# Altium PCB can_gateway_v3s_hardwave.PcbDoc (part 2 of 2)
Units mil, origin at the board's own origin, x right, y up, seen from the top; angles counter-clockwise.
Board outline 3937.01 x 2637.8 mil, 2 copper layers (Top Layer, Bottom Layer); 219 components, 180 nets, 793 pads, 179 vias.
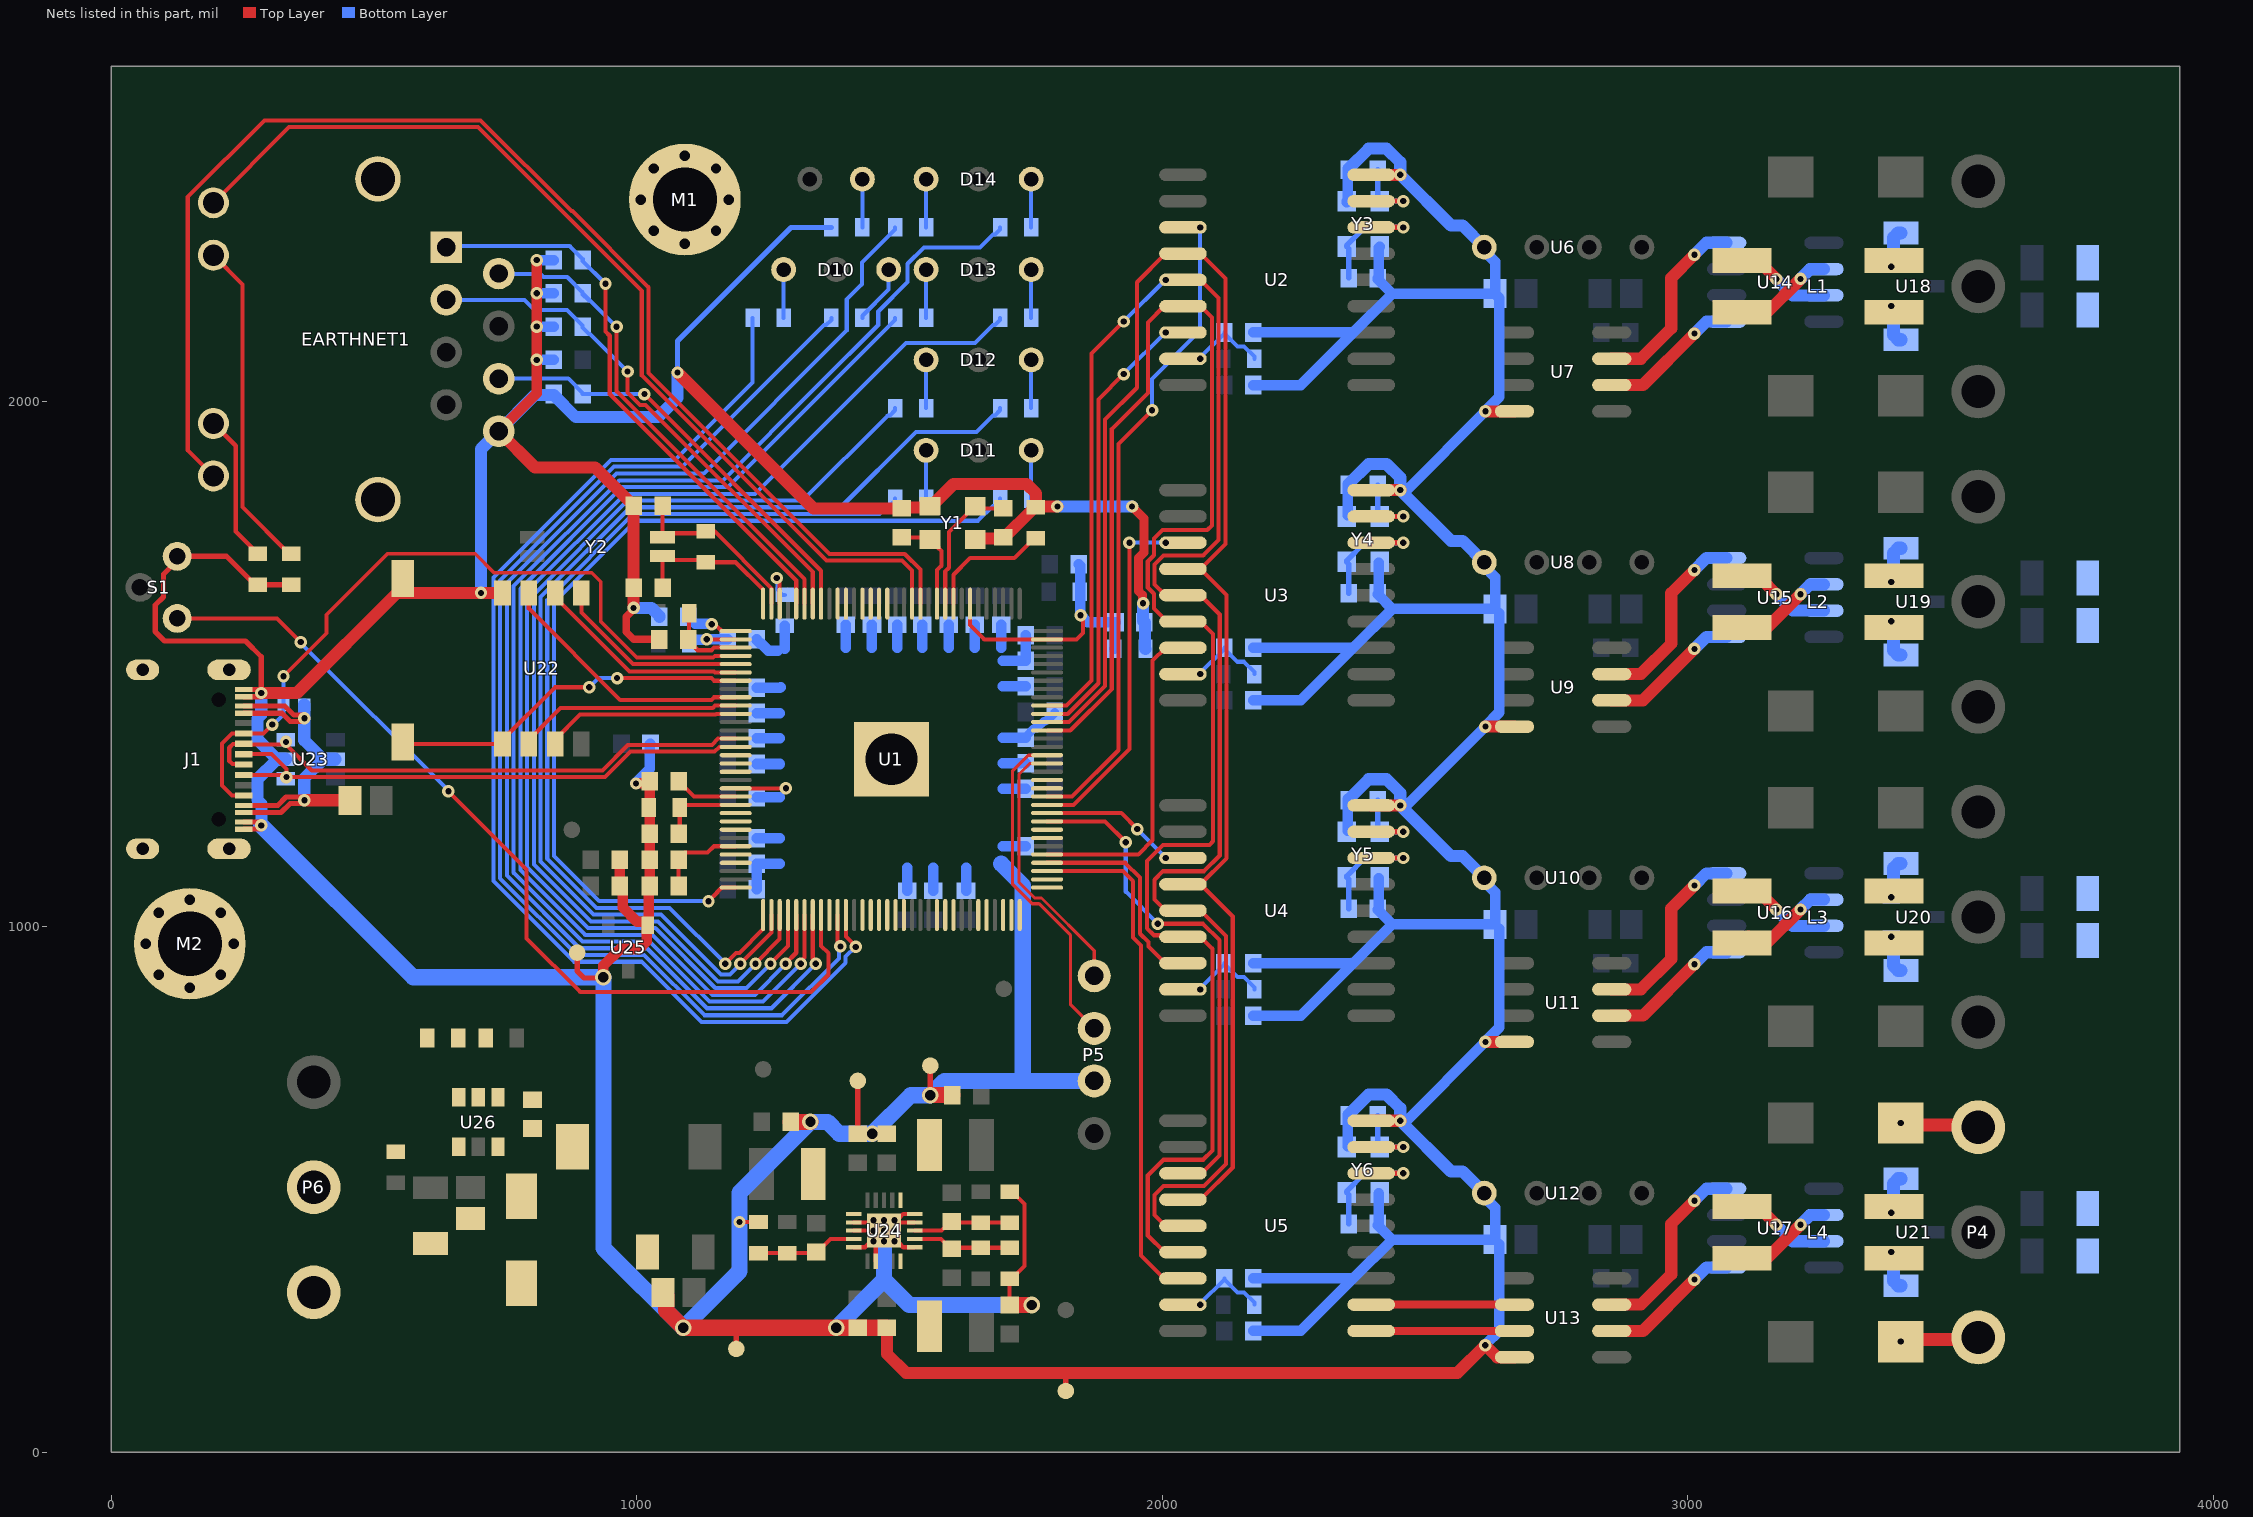
[diagram p2: the nets of this part, all layers, seen from the top]

## Via types
v1: diameter 23.62, hole 11.81, Top Layer to Bottom Layer, tented both sides, 159 vias
v2: diameter 31.5, hole 19.68, Top Layer to Bottom Layer, tented both sides, 18 vias
v3: diameter 23.62, hole 11.81, Top Layer to Bottom Layer, 2 vias

## Nets (pads, with @x,y where several pads share a name; then routed paths per layer and width w, separated by ;. In a path a pad name is that pad's centre, name@x,y a point inside that pad or via, vN(x,y) a via of type N, cw(c..) or ccw(c..) an arc to the next point about the centre after c; other vN are vias at no path point) (continued)
CAN4_H: D8.2 P4.1 R16.1 | length 150.6
  Top Layer w25: D8.2@3409.93,622.95 P4.1@3549.1,622.95
  Bottom Layer w25: v1(3405.87,627) R16.1@3409.93,622.95 ; P4.1@3549.1,622.95 P4.1@3553.15,618.9
CAN4_L: D7.2 P4.3 R15.1 | length 150.5
  Top Layer w25: D7.2@3409.82,214.95 P4.3@3549.2,214.95
  Bottom Layer w25: v1(3405.87,211) R15.1@3409.82,214.95 ; P4.3@3549.2,214.95 P4.3@3553.15,218.9
CAN4_RX: U5.2 U13.2 | length 272.6
  Top Layer w15: U5.2@2398.05,281.18 U13.2@2670.63,281.18
CAN4_TX: U5.1 U13.3 | length 272.6
  Top Layer w15: U5.1@2398.05,231.18 U13.3@2670.63,231.18
CS1: U1.54 U2.16 | length 842.4
  Top Layer w7.8: U1.54@1781.31,1405.53 1820.63,1405.53 1878.8,1463.7 1878.8,2003.8 v1(1927,2052)
  Bottom Layer w7.8: v1@1927.1,2051.9 v1@2006.69,2131.49
  other v1: 2007,2131.18
CS2: U1.37 U3.16 | length 621.7
  Top Layer w7.8: U1.37@1781.3,1137.8 1954.8,1137.8 1982,1165 1982,1506.86 2006.31,1531.18 U3.16@2039.78,1531.18
CS3: U1.36 U4.16 | length 404.9
  Top Layer w7.8: U1.36@1781.3,1122.05 1929.95,1122.05 1958,1094 1958,987 1974,971 1974,963 2005.82,931.18 U4.16@2039.78,931.18
CS4: U1.35 U5.16 | length 987.8
  Top Layer w7.8: U1.35@1781.3,1106.3 1925.7,1106.3 1945,1087 1945,980 1960,965 1960,375 2003.82,331.18 U5.16@2039.78,331.18
CSI_SCK: U1.9
CSI_SDA: S1.2 U1.8 | length 1745.1
  Top Layer w7.8: S1.2@125.98,1587.13 315.87,1587.13 v3(361,1542) ; v3(642,1258) 791,1109 791,978 893,876 1332,876 1365,909 1365,950 1351.18,963.82 U1.8@1351.18,1022.64
  Bottom Layer w7.8: v3(361,1542) 361,1540.5 642,1259.5 v3(642,1258)
DM: J1.5 J1.13 U1.110 U23.3 | length 1068.4
  Top Layer w7.8: J1.5@252.83,1309.06 251.89,1310 231,1310 225,1316 225,1341 232,1348 252.41,1348 J1.13@252.83,1348.43 253.86,1347.4 332.6,1347.4 382,1298 935,1298 983.29,1346.29 1143.29,1346.29 1155.25,1358.25 U1.110@1188.78,1358.27
  other v1: 333,1352
DP: J1.4 J1.12 U1.111 U23.1 | length 1069.2
  Top Layer w7.8: J1.12@252.83,1289.37 329.63,1289.37 v1(333.8,1285.2) ; J1.4@252.83,1328.74 305.26,1328.74 333.8,1300.2 v1(333.8,1285.2) ; U1.111@1188.78,1342.52 1157.61,1342.51 1148.59,1333.49 988.59,1333.49 940.3,1285.2 v1(333.8,1285.2)
EARTH: C34.2 C35.2 C36.2 C37.2 EARTHNET1.13 EARTHNET1.14 J1.17 M1.1 M2.1 P6.2 R17.1 R18.1 R19.1 R20.1
ETH_LED_LINK: EARTHNET1.12 U1.77 | length 2520
  Top Layer w7.8: EARTHNET1.12@194.84,1858.3 146,1907.14 146,2389 291.8,2534.8 703.3,2534.8 876.1,2362 878,2362 1022.8,2217.2 1022.8,2054.3 1367.1,1710 1510.39,1710 1540.16,1680.23 U1.77@1540.16,1615.16
ETH_LED_SPD: EARTHNET1.9 U1.78 | length 1895.9
  Top Layer w7.8: EARTHNET1.9@194.84,2377.99 338.86,2522 698,2522 1010,2210 1010,2049 1361.8,1697.2 1505.09,1697.2 1524.41,1677.88 U1.78@1524.41,1615.16
ETH_RX_N: C42.2 EARTHNET1.6 U1.89 | length 828.6
  Top Layer w8: v1(1015,2014) 1351.18,1677.82 U1.89@1351.18,1615.16
  Bottom Layer w7.8: EARTHNET1.6@737.76,2043.34 870.19,2043.34 897.56,2015.97 C42.2@897.56,2014 v1(1015,2014)
ETH_RX_P: C41.2 EARTHNET1.3 U1.90 | length 998.3
  Top Layer w7.8: v1(983,2057) 983,2016.71 1006.42,1993.29 1017.47,1993.29 1335.43,1675.32 1335.43,1660.86
  Top Layer w8: U1.90@1335.43,1615.16 1335.43,1660.86
  Bottom Layer w7.8: EARTHNET1.3@637.76,2193.34 786.66,2193.34 806,2174 867.86,2174 897.56,2144.3 C41.2@897.56,2142.33 897.56,2140.36 909.41,2128.52 911.38,2128.52 v1@982.95,2056.95
ETH_TX_N: C40.2 EARTHNET1.2 U1.91 | length 962.3
  Top Layer w8: v1(962,2142) 962,2019.47 1319.68,1661.78 U1.91@1319.68,1615.16
  Bottom Layer w7.8: EARTHNET1.2@737.76,2243.34 738.71,2242.38 817.62,2242.38 823,2237 868.19,2237 897.56,2207.63 C40.2@897.56,2206.44 ; C40.2@896.96,2207.04 C40.2@897.56,2206.44 ; C40.2@909.41,2191.85 897.56,2203.7 C40.2@897.56,2205.67 C40.2@897.56,2206.44 ; v1(962,2142) C40.2@897.56,2206.44
ETH_TX_P: C39.2 EARTHNET1.1 U1.92 | length 1096.1
  Top Layer w8: v1(941,2224) 941,2133 949,2125 949,2014.08 1303.94,1659.15 U1.92@1303.94,1615.16
  Bottom Layer w8: EARTHNET1.1@637.76,2293.34 640.13,2295.72 872.81,2295.72 897.56,2270.97 C39.2@897.56,2269 897.56,2267.03 939.5,2225.09 v1@939.5,2222.5
GND: C1.1 C2.1 C3.2 C4.2 C5.2 C6.1 C7.2 C8.1 C9.2 C10.1 C11.2 C12.1 C13.2 C14.1 C15.1 C16.1 C17.1 C18.1 C19.1 C20.1 C21.1 C22.1 C23.1 C24.1 C25.1 C38.1 C39.1 C40.1 C41.1 C42.1 C43.2 C44.2 C45.2 C46.2 C47.2 C48.1 C49.1 C53.1 C54.1 C55.1 C56.1 C57.1 C58.1 C59.1 C60.1 C61.1 C62.1 C63.1 C64.1 C65.1 C66.1 C67.1 C68.1 C69.1 C70.1 C71.1 C72.1 C73.1 C74.1 C75.1 C76.1 C77.1 C78.1 C79.1 C80.1 C81.1 C83.1 C84.1 C85.1 C86.1 C87.1 C88.1 C89.1 C90.1 C91.1 C93.1 C94.1 D15.1 EARTHNET1.8 J1.1 J1.8 J1.9 J1.16 P5.2 P6.1 pad.2 R2.1 R3.1 R22.1 R23.1 R24.2 R38.1 R39.1 R40.1 R44.1 R46.1 R47.2 S1.1 S2.1 T3.1 T4.1 T8.1 T9.1 T10.1 U1.116 U1.129 U2.9 U3.9 U4.9 U5.9 U6.1 U7.4 U8.1 U9.4 U10.1 U11.4 U12.1 U13.4 U22.4 U23.2 U24.1 U24.4 U24.5 U24.12 U24.13 U24.15 U24.17 U24.21 U25.3 U26.2 Y1.2 Y1.4 Y3.2 Y3.4 Y4.2 Y4.4 Y5.2 Y5.4 Y6.2 Y6.4 | length 21166.2
  Top Layer w7.8: U1.116@1188.78,1263.78 v1(1284.22,1263.78) ; v1(1196,438.53) R38.1@1232.08,438.53 ; U24.15@1412.93,390.5 1434.5,390.5 U24.21@1443,399 ; U24.13@1412.93,422 v1(1451,422) U24.21@1455.25,422 ; U24.12@1412.93,437.75 1455.25,437.75 v1(1471,422) ; U24.17@1455.25,363.93 U24.21@1455.25,406.25 ; U24.21@1486.75,437.75 U24.4@1529.07,437.75 ; U24.21@1499,399 1507.5,390.5 U24.1@1529.07,390.5 ; U24.21@1499,445 1507.5,453.5 U24.5@1529.07,453.5 ; C55.1@1709.94,280.56 R40.1@1709.94,330.47 1713.87,330.47 1738,354.6 1738,472.4 1713.87,496.53 R39.1@1709.94,496.53
  Top Layer w9.8: J1.9@252.83,1186.03 v1@286,1186.03 ; J1.8@252.83,1199.81 v1@286,1199.81 ; J1.1@252.83,1438 v1@286,1438 ; J1.16@252.83,1451.78 v1@286,1451.78
  Top Layer w10: v1(286,1445.11) 286,1451.78 286,1514 256,1544 102,1544 84,1562 84,1612 100,1628 100,1671.04 125.98,1697.02 S1.1@125.98,1705.24 220,1705.24 274.18,1651.06 R23.1@279.6,1651.06 R22.1@343.03,1651.06 ; T8.1@887,951 887,916 900,903 936,903 v2(937,904) ; T3.1@1190,197 1190,237.38 ; C44.2@1421,606.5 T10.1@1421,707 ; v2(1559,680) T9.1@1559,736 ; T4.1@1817,117 1817,151
  Top Layer w14: v1(994.45,1607) 994.45,1604.4 980.19,1590.14 980.19,1561.14 994.14,1547.19 1042.71,1547.19 C1.1@1042.9,1547
  Top Layer w17: v1(1943,1800) 1966,1777 1966,1712.86 1955.4,1702.26 1955.4,1638.99 1962.73,1631.66 1962.73,1617.27 v1(1964,1616)
  Top Layer w20: EARTHNET1.8@737.76,1943.34 810,2015.59 v1(810,2079) v1(810,2142.33) v1(810,2205.67) v1(810,2269) ; v2(937,904) 937,926 969,958 1005,958 1019.59,972.59 1019.59,1001.51 U25.3@1021.4,1003.32 ; C49.1@967.97,1127.75 C48.1@967.97,1077.98 973.72,1072.23 973.72,1037.28 1000.94,1010.06 1019.59,1010.06 1021.4,1008.24 U25.3@1021.4,1003.32 ; v1(999,1273) 999.69,1273.69 1021.83,1273.69 C94.1@1025.13,1277 C91.1@1025.13,1177.5 C80.1@1025.13,1127.75 C78.1@1025.13,1078 1023.21,1076.08 1023.21,1005.13 U25.3@1021.4,1003.32
  Top Layer w23: v1(286,1445.11) 354.11,1445.11 544.7,1635.7 v1(704,1635.7) U22.4@745,1635.7 ; EARTHNET1.8@737.76,1943.34 806.77,1874.33 921.33,1874.33 C4.2@994.45,1801.2 C5.2@994.45,1645.77 v1(994.45,1607) ; v1(1078,2055) 1336.69,1796.31 C3.2@1505,1796.31 1506.94,1798.24 1556.39,1798.24 Y1.4@1558.32,1800.18 1560.29,1800.18 1603.11,1843 1742,1843 1760,1825 R3.1@1760,1798.28 ; C47.2@1476,237.38 1476.87,236.51 1476.87,187.13 1513,151 1817,151 2562,151 v1(2615,204) 2637.82,181.18 U13.4@2670.63,181.18 ; Y1.2@1644.81,1737.32 1646.75,1739.25 1696.06,1739.25 C2.1@1698,1741.19 1699.97,1741.19 1753.78,1795 1753.78,1796 1756.06,1798.28 R3.1@1760,1798.28 ; v1(1801,1800) 1800.88,1799.88 1761.61,1799.88 R3.1@1760,1798.28 ; U5.9@2398.05,631.18 v1(2453.38,631.18) ; U4.9@2398.05,1231.18 v1(2453.38,1231.18) ; U3.9@2398.05,1831.18 v1(2453.38,1831.18) ; U2.9@2398.05,2431.18 v1(2453.38,2431.18) ; v1(2615.3,781.18) U11.4@2670.63,781.18 ; v1(2615.3,1381.18) U9.4@2670.63,1381.18 ; v1(2615.3,1981.18) U7.4@2670.63,1981.18
  Top Layer w31: C90.1@1050.47,304.7 1056.63,298.55 1056.63,269.51 1088.62,237.52 v2(1088.62,237.38) 1190,237.38 v2(1380,237.38) C46.2@1421,237.38 C47.2@1476,237.38 ; C53.1@1293.56,629 v2(1331,629) ; v2(1559,680) C54.1@1601.09,680 ; C55.1@1709.94,280.56 v2(1752,280.56)
  Bottom Layer w10: C42.1@842.44,2012.03 C42.1@842.44,2014 ; v1(1078,2055) 1078,2115 1294.09,2331.09 R24.2@1370.76,2331.09
  Bottom Layer w16: C62.1@1740.94,1360.33 1740.94,1362.3 1756.93,1378.28 1762.08,1378.28 1774.84,1391.05 1778.11,1391.05 1786.35,1399.28 1788.31,1399.28 1796.06,1407.03 C59.1@1796.06,1409
  Bottom Layer w20: v1(810,2079) C38.1@842.44,2079 ; v1(810,2142.33) C41.1@842.44,2142.33 ; v1(810,2205.67) C40.1@842.44,2205.67 ; v1(810,2269) C39.1@842.44,2269 ; v1(999,1273) 999,1273.98 1025.6,1300.58 1025.6,1347.34 C43.2@1026.56,1348.3 ; C61.1@1229.13,1072 C75.1@1229.13,1120 1273,1120 ; C76.1@1229.13,1169 1273,1169 ; C89.1@1229.13,1246.61 1273,1246.61 ; C87.1@1229.13,1310.04 1273,1310.04 ; C66.1@1229.13,1359 1273,1359 ; C73.1@1229.13,1407 1273,1407 ; C63.1@1229.13,1455 1273,1455 1274,1456 ; C71.1@1229.13,1547.24 1229.13,1545.28 1234.88,1539.53 1236.85,1539.53 1250.38,1526 1269,1526 ; 1282,1528.97 R2.1@1282,1572.83 ; 1398,1530.94 C68.1@1398,1574.8 ; 1448,1530.94 C70.1@1448,1574.8 ; 1496,1530.94 C86.1@1496,1574.8 ; C77.1@1515,1068.56 1515,1112.43 ; 1544,1530.94 C74.1@1544,1574.8 ; C58.1@1565,1068.56 1565,1112.43 ; 1593.9,1530.94 C81.1@1593.9,1574.8 ; C56.1@1627,1068.56 1627,1112.43 ; 1643.95,1530.94 C79.1@1643.95,1574.8 ; 1694,1530.94 C83.1@1694,1574.8 ; 1697.08,1153.54 C64.1@1740.94,1153.54 ; 1697.08,1263 C60.1@1740.94,1263 ; 1697.08,1311.67 C57.1@1740.94,1311.67 ; 1697.08,1360.33 C62.1@1740.94,1360.33 ; 1697.08,1457.67 C67.1@1740.94,1457.67 ; 1697.08,1506.33 C85.1@1740.94,1506.33 ; C85.1@1740.94,1511.13 C65.1@1740.94,1555 ; C21.1@2173.71,231.18 2264.24,231.18 2364.24,331.18 ; C17.1@2173.71,331.18 2364.24,331.18 ; C20.1@2173.71,831.18 2264.24,831.18 2364.24,931.18 ; C16.1@2173.71,931.18 2364.24,931.18 ; C19.1@2173.71,1431.18 2264.24,1431.18 2364.24,1531.18 ; C15.1@2173.71,1531.18 2364.24,1531.18 ; C18.1@2173.71,2031.18 2264.24,2031.18 2364.24,2131.18 ; C14.1@2173.71,2131.18 2364.24,2131.18 ; Y3.2@2351.35,2379.21 Y3.2@2351.35,2381.18 2353.28,2383.11 2353.28,2439.24 C6.1@2355.22,2441.18 ; Y6.2@2353.28,583.11 C12.1@2353.28,639.24 ; Y5.2@2353.28,1183.11 C10.1@2353.28,1239.24 ; Y4.2@2353.28,1783.11 C8.1@2353.28,1839.24 ; C13.2@2410.34,432.72 2438.06,405 ; C11.2@2410.34,1032.72 2438.06,1005 ; C9.2@2410.34,1632.72 2438.06,1605 ; C13.2@2412.28,436.63 Y6.4@2412.28,492.75 ; C11.2@2412.28,1036.63 Y5.4@2412.28,1092.75 ; C9.2@2412.28,1636.63 Y4.4@2412.28,1692.75 ; Y3.4@2414.21,2294.69 2412.28,2292.75 2412.28,2236.63 C7.2@2410.34,2234.69 2410.34,2232.72 2438.06,2205 ; v1(2453.38,1831.18) 2465.3,1831.18 v1(2615.3,1981.18) 2615.3,1982.16 2642.11,2008.97 2642.11,2196.51 C22.1@2633.62,2205 ; 2465.3,631.18 v1(2615.3,781.18) 2615.3,782.16 2642.11,808.97 C24.1@2642.11,996.51 ; 2465.3,1231.18 v1(2615.3,1381.18) 2615.3,1382.16 2642.11,1408.97 C23.1@2642.11,1596.51 ; U12.1@2613.15,486.16 2633.62,465.69 C25.1@2633.62,404.99 2438.06,405 ; U10.1@2613.15,1086.16 2633.62,1065.69 C24.1@2633.62,1004.99 2438.06,1005 ; U8.1@2613.15,1686.16 2633.62,1665.69 C23.1@2633.62,1604.99 2438.06,1605 ; U6.1@2613.15,2293.54 2613.15,2286.16 2633.62,2265.69 C22.1@2633.62,2205 ; v1(2615,204) 2615,204.98 2642.11,232.09 C25.1@2642.11,396.51 ; 2364.24,331.18 2438.06,405 ; 2364.24,931.18 2438.06,1005 ; 2364.24,1531.18 2438.06,1605 ; 2364.24,2131.18 2438.06,2205 ; 2438.06,2205 C22.1@2633.62,2205
  Bottom Layer w23: v1(286,1193.14) 286,1234.21 278.81,1241.41 278.81,1281.51 315.13,1317.84 331.58,1317.84 U23.2@332.76,1319 331.46,1320.3 315.02,1320.3 278.69,1356.62 278.69,1396.73 285.88,1403.92 285.88,1444.99 v1(286,1445.11) ; v1(704,1635.7) 704,1909.59 EARTHNET1.8@737.76,1943.34 806.45,2012.03 842.44,2012.03 884.47,1970 1041,1970 1078,2007 v1(1078,2055) ; v1(994.45,1607) 994.57,1606.88 1028.53,1606.88 1043.44,1591.97 C84.1@1043.44,1590 ; v1(1801,1800) v1(1943,1800) ; v1(1964,1616) 1964.12,1615.88 1964.12,1582.44 C93.1@1966.56,1580 1967.54,1579.02 1967.54,1529.98 R47.2@1968.53,1529 ; C12.1@2355.22,643.15 2393.07,681 2427.31,681 2453.26,655.06 2453.26,631.3 v1(2453.38,631.18) 2549.92,534.63 2572.05,534.63 U12.1@2613.15,493.54 ; C10.1@2355.22,1243.15 2393.07,1281 2427.31,1281 2453.26,1255.06 2453.26,1231.3 v1(2453.38,1231.18) 2549.92,1134.63 2572.05,1134.63 U10.1@2613.15,1093.54 ; C8.1@2355.22,1843.15 2393.07,1881 2427.31,1881 2453.26,1855.06 2453.26,1831.3 v1(2453.38,1831.18) 2549.92,1734.63 2572.05,1734.63 U8.1@2613.15,1693.54 ; C6.1@2355.22,2441.18 2355.22,2443.15 2393.07,2481 2427.31,2481 2453.26,2455.06 2453.26,2431.3 v1(2453.38,2431.18) 2549.92,2334.63 2572.05,2334.63 U6.1@2613.15,2293.54
  Bottom Layer w31: v1(286,1193.14) 575.14,904 v2(937,904) 937,389 v2(1088.62,237.38) 1196,344.76 v1(1196,438.53) 1196,494 v2(1331,629) 1331.09,628.91 1363.59,628.91 1386,606.5 v2(1448.25,606.5) 1521.66,679.91 1558.91,679.91 v2(1559,680) 1559.13,680 1586.13,707 1728.57,707 ; v2(1380,237.38) 1471,328.38 ; v1(1471,402) 1471,328.38 ; 1694,1120 1735,1079 1735,713.43 1728.57,707 ; v2(1752,280.56) 1518.82,280.56 1471,328.38 ; P5.2@1871,707 1728.57,707
  other v1: 1451,402 1491,402 1491,422 1451,442 1471,442 1491,442
HBIAS: U1.119
HP_COM: U1.125
HP_COMFB: U1.124
HP_L: U1.121
HP_R: U1.120
INT1: U1.44 U2.12 | length 1231.8
  Top Layer w7.8: U1.44@1781.3,1248.03 1829.03,1248.03 1917.2,1336.2 1917.2,1919.2 v1(1981,1983)
  Bottom Layer w7.8: v1(1981,1983) 1981,2043 2072.56,2134.56 v1(2072.56,2331.18)
INT2: U1.43 U3.12 | length 666.3
  Top Layer w7.8: U1.43@1781.3,1232.28 1831.39,1232.28 1938,1338.9 v1@1938,1731 ; U3.12@2036.75,1728.15 U3.12@2039.78,1731.18
  Bottom Layer w7.8: v1@1938,1731 1938.18,1731.18 v1(2007,1731.18)
  other v1: 1938,1731.18
INT3: U1.42 U4.12 | length 261.3
  Top Layer w7.8: U1.42@1781.3,1216.54 1922.46,1216.54 v1(1952.82,1186.18)
  Bottom Layer w7.8: v1@1952.72,1186.07 v1@2007.31,1131.49
  other v1: 2007,1131.18
INT4: U1.41 U5.12 | length 969.4
  Top Layer w7.8: U1.41@1781.3,1200.79 1891.42,1200.79 v1(1931.1,1161.1) ; v1(1992,1006) 2077.71,1006 2109,974.71 2109,565 2075.18,531.18 U5.12@2039.78,531.18
  Bottom Layer w7.8: v1@1931,1161 1931,1067 v1(1992,1006)
KEYADC0: U1.112
LCD_D2: U1.33
LCD_D3: U1.32
LCD_D4: U1.31
LCD_D5: U1.30
LCD_D6: U1.28
LCD_D7: U1.27
LCD_D10: U1.24
LCD_D11: U1.23
LCD_D12: U1.22
LCD_D13: U1.18
LCD_D14: U1.17
LCD_D15: U1.16
LCD_D18: U1.15
LCD_D19: U1.14
LCD_D20: U1.13
LCD_D21: R26.2 U1.11 | length 2282
  Top Layer w7.8: U1.11@1398.43,1022.64 1398.44,981.85 1417,963.29 v1(1417,962)
  Bottom Layer w7.8: R26.2@1220.76,2159.09 1220.76,2035.76 1073.6,1888.6 951.68,1888.6 727.8,1664.72 727.8,1087.28 881.28,933.8 1009.2,933.8 1123.8,819.2 1285.2,819.2 1397.77,931.77 1397.77,943.48 1416.29,962 v1(1417,962)
LCD_D22: R34.2 U1.7 | length 2458.8
  Top Layer w7.8: U1.7@1335.43,1022.64 1335.43,939.85 1341,934.28 v1(1341,930)
  Bottom Layer w7.8: v1(1341,930) 1341,929.38 1256.91,845.29 1133.91,845.29 1019.8,959.4 891.89,959.4 753.4,1097.89 753.4,1654.11 962.29,1863 1128,1863 1400,2135 1400,2194 1429,2223 1429,2264.21 1491.94,2327.16 R34.2@1491.94,2331.09
LCD_D23: R33.2 U1.6 | length 2565.4
  Top Layer w7.8: v1(1312.33,930) 1312.33,934.28 1319.68,941.63 U1.6@1319.68,1022.64
  Bottom Layer w7.8: v1(1312.33,930) 1312.33,929.38 1241.05,858.09 1139.21,858.09 1025.1,972.2 897.19,972.2 766.2,1103.19 766.2,1648.81 967.19,1849.8 1164.55,1849.8 1345.66,2030.91 1345.72,2030.91 1460,2145.19 1460,2171.23 1516,2227.23 1516,2261.99 1547.01,2293 1653.85,2293 1678.13,2317.28 1682.07,2317.28 1691.94,2327.16 R33.2@1691.94,2331.09
LCD_VSYNC: U1.34
MCSI_CK_N: U1.87
MCSI_CK_P: U1.86
MCSI_D0_N: U1.82
MCSI_D0_P: U1.81
MCSI_D1_N: U1.84
MCSI_D1_P: U1.83
MCSI_MCLK: R25.2 U1.10 | length 2289.4
  Top Layer w7.8: U1.10@1382.68,1022.64 1382.68,972.6 1388,967.28 v1(1388,963)
  Bottom Layer w7.8: R25.2@1370.76,2159.09 1370.76,2155.16 1360.88,2145.28 1356.95,2145.28 1087.47,1875.8 956.98,1875.8 740.6,1659.42 740.6,1092.58 886.58,946.6 1014.5,946.6 1129.1,832 1277,832 1384.97,939.97 1384.97,959.97 v1(1388,963)
MCSI_PWDN: R31.2 U1.4 | length 2327.1
  Top Layer w7.8: v1(1255,930) 1255,930.62 1288.19,963.81 U1.4@1288.19,1022.64
  Bottom Layer w7.8: v1(1255,930) 1255,929.38 1209.31,883.69 1149.82,883.69 1035.71,997.8 907.79,997.8 791.8,1113.79 791.8,1638.21 977.79,1824.2 1225.2,1824.2 1512.52,2111.52 1644.37,2111.52 1678.13,2145.28 1682.07,2145.28 1691.94,2155.16 R31.2@1691.94,2159.09
MCSI_RST: R32.2 U1.5 | length 2192.8
  Top Layer w7.8: v1(1283.67,930) 1283.67,930.62 1303.94,950.89 U1.5@1303.94,1022.64
  Bottom Layer w7.8: v1(1283.67,930) 1283.67,929.38 1225.18,870.89 1144.52,870.89 1030.41,985 902.49,985 779,1108.49 779,1643.51 972.49,1837 1173.79,1837 1491.94,2155.16 R32.2@1491.94,2159.09
MIC_N: U1.114
MIC_P: U1.113
MISO: U1.52 U2.15 U3.15 U4.15 U5.15 | length 3341.5
  Top Layer w7.8: U1.52@1781.3,1374.02 1825.32,1374.02 1904.4,1453.09 1904.4,1947.4 1973,2016 1973,2150 2004.18,2181.18 U2.15@2039.78,2181.18 2073.24,2181.18 2095,2159.42 2095,1764 2086,1755 2000.85,1755 1985,1739.15 1985,1707.25 1972.8,1695.06 1972.8,1646.2 1985,1634 1985,1606 2009.82,1581.18 U3.15@2039.78,1581.18 2073.24,1581.18 2097,1557.42 2097,1163 2090,1156 2001.85,1156 1971.29,1125.44 1971.29,997.42 1984.51,984.2 2036.75,984.2 U4.15@2039.78,981.18 2073.24,981.18 2096,958.42 2096,574.64 2078.36,557 2002.85,557 1972.8,526.96 1972.8,413.2 2004.82,381.18 U5.15@2039.78,381.18
MOSI: U1.55 U2.14 U3.14 U4.14 U5.14 | length 3294
  Top Layer w7.8: U1.55@1781.31,1421.27 1818.27,1421.27 1866,1469 1866,2091 v1(1927,2152) ; U5.14@2039.78,431.18 2006.31,431.18 1985.6,451.89 1985.6,489.76 2002.85,507 2080,507 2121.8,548.8 2121.8,982.62 2073.24,1031.18 U4.14@2039.78,1031.18 2006.31,1031.18 1985.6,1051.89 1985.6,1089.76 2001.85,1106 2079.9,1106 2109.8,1135.9 2109.8,1594.62 2073.24,1631.18 2006.31,1631.18 1985.6,1651.89 1985.6,1689.76 2002.85,1707 2078.36,1707 2107.8,1736.44 2107.8,2196.55 U2.14@2073.18,2231.18 ; U2.14@2039.78,2231.18 U2.14@2072.18,2231.18
  Bottom Layer w7.8: v1@1927.1,2151.9 v1@2006.69,2231.49
  other v1: 2007,2231.18
NetC6_2: C6.2 U2.8 Y3.3 | length 167.3
  Top Layer w10: U2.8@2398.05,2381.18 v1(2459,2381.18)
  Bottom Layer w10: C6.2@2410.34,2441.18 2410.34,2385.05 Y3.3@2414.21,2381.18 v1(2459,2381.18)
NetC7_1: C7.1 U2.7 Y3.1 | length 246.5
  Top Layer w10: U2.7@2398.05,2331.18 v1(2459,2331.18)
  Bottom Layer w10: C7.1@2355.22,2234.69 2355.22,2290.81 Y3.1@2351.35,2294.69 2351.35,2296.66 2385.87,2331.18 v1(2459,2331.18)
NetC8_2: C8.2 U3.8 Y4.3 | length 167.3
  Top Layer w10: U3.8@2398.05,1781.18 v1(2459,1781.18)
  Bottom Layer w10: C8.2@2410.34,1841.18 2410.34,1785.05 Y4.3@2414.21,1781.18 v1(2459,1781.18)
NetC9_1: C9.1 U3.7 Y4.1 | length 246.5
  Top Layer w10: U3.7@2398.05,1731.18 v1(2459,1731.18)
  Bottom Layer w10: C9.1@2355.22,1634.69 2355.22,1690.81 Y4.1@2351.35,1694.69 2351.35,1696.66 2385.87,1731.18 v1(2459,1731.18)
NetC10_2: C10.2 U4.8 Y5.3 | length 167.3
  Top Layer w10: U4.8@2398.05,1181.18 v1(2459,1181.18)
  Bottom Layer w10: C10.2@2410.34,1241.18 2410.34,1185.05 Y5.3@2414.21,1181.18 v1(2459,1181.18)
NetC11_1: C11.1 U4.7 Y5.1 | length 246.5
  Top Layer w10: U4.7@2398.05,1131.18 v1(2459,1131.18)
  Bottom Layer w10: C11.1@2355.22,1034.69 2355.22,1055.9 2355.22,1090.81 Y5.1@2351.35,1094.69 2351.35,1096.66 2353.55,1098.86 2385.87,1131.18 v1(2459,1131.18)
NetC12_2: C12.2 U5.8 Y6.3 | length 167.3
  Top Layer w10: U5.8@2398.05,581.18 v1(2459,581.18)
  Bottom Layer w10: C12.2@2410.34,641.18 2410.34,585.05 Y6.3@2414.21,581.18 v1(2459,581.18)
NetC13_1: C13.1 U5.7 Y6.1 | length 246.5
  Top Layer w10: U5.7@2398.05,531.18 v1(2459,531.18)
  Bottom Layer w10: C13.1@2355.22,434.69 2355.22,490.81 Y6.1@2351.35,494.69 2351.35,496.66 2385.87,531.18 v1(2459,531.18)
NetC14_2: C14.2 R5.2 U2.17 | length 148.4
  Bottom Layer w7.8: v1(2072.56,2081.18) 2072.56,2083.18 C14.2@2118.59,2129.21 ; C14.2@2118.59,2131.18 C14.2@2118.59,2129.21 ; R5.2@2175.68,2081.18 2175.68,2085.11 2156.23,2104.56 2143.24,2104.56 C14.2@2118.59,2129.21
NetC15_2: C15.2 R6.2 U3.17 | length 148.4
  Bottom Layer w7.8: v1(2072.56,1481.18) 2072.56,1483.18 C15.2@2118.59,1529.21 ; C15.2@2118.59,1531.18 C15.2@2118.59,1529.21 ; R6.2@2175.68,1481.18 2175.68,1485.11 2156.23,1504.56 2143.24,1504.56 C15.2@2118.59,1529.21
NetC16_2: C16.2 R7.2 U4.17 | length 148.4
  Bottom Layer w7.8: v1(2072.56,881.18) 2072.56,883.18 C16.2@2118.59,929.21 ; C16.2@2118.59,931.18 C16.2@2118.59,929.21 ; R7.2@2175.68,881.18 2175.68,885.11 2156.23,904.56 2143.24,904.56 C16.2@2118.59,929.21
NetC17_2: C17.2 R8.2 U5.17 | length 148.4
  Bottom Layer w7.8: v1(2072.56,281.18) 2072.56,283.18 C17.2@2118.59,329.21 ; C17.2@2118.59,331.18 C17.2@2118.59,329.21 ; R8.2@2175.68,281.18 2175.68,285.11 2156.23,304.56 2143.24,304.56 C17.2@2118.59,329.21
NetC50_1: C50.1 R35.1 R38.2 U24.14 | length 191.9
  Top Layer w7.8: R38.2@1232.08,379.47 R35.1@1287.08,379.47 1340.11,379.47 C50.1@1342.08,381.44 1344.05,381.44 1368.86,406.25 U24.14@1412.93,406.25
NetC51_1: C51.1 R36.1 R39.2 U24.3 | length 188.9
  Top Layer w7.8: U24.3@1529.07,422 1580.53,422 1597.97,439.44 1599.94,437.47 R36.1@1654.94,437.47 R39.2@1709.94,437.47
NetC52_1: C52.1 R37.1 R40.2 U24.2 | length 189.4
  Top Layer w7.8: U24.2@1529.07,406.25 1579.28,406.25 1597.97,387.56 1599.94,389.53 R37.1@1654.94,389.53 R40.2@1709.94,389.53
NetC82_1: C82.1 D15.2 L8.1 U26.6
NetC82_2: C82.2 U26.1
NetD9_2: D9.2 R24.1 | length 91.9
  Bottom Layer w7.8: R24.1@1429.82,2331.09 D9.2@1429.82,2423
NetD10_1: D10.1 R26.1 | length 91.9
  Bottom Layer w7.8: R26.1@1279.82,2159.09 D10.1@1279.82,2251
NetD10_3: D10.3 R25.1 | length 112.6
  Bottom Layer w7.8: R25.1@1429.82,2159.09 1429.82,2163.03 1479.82,2213.03 D10.3@1479.82,2251
NetD11_1: D11.1 R28.1 | length 91.9
  Bottom Layer w7.8: R28.1@1551,1815.11 D11.1@1551,1907
NetD11_3: D11.3 R27.1 | length 91.9
  Bottom Layer w7.8: R27.1@1751,1815.11 D11.3@1751,1907
NetD12_1: D12.1 R30.1 | length 91.9
  Bottom Layer w7.8: R30.1@1551,1987.09 D12.1@1551,2079
NetD12_3: D12.3 R29.1 | length 91.9
  Bottom Layer w7.8: R29.1@1751,1987.09 D12.3@1751,2079
NetD13_1: D13.1 R32.1 | length 91.9
  Bottom Layer w7.8: R32.1@1551,2159.09 D13.1@1551,2251
NetD13_3: D13.3 R31.1 | length 91.9
  Bottom Layer w7.8: R31.1@1751,2159.09 D13.3@1751,2251
NetD14_1: D14.1 R34.1 | length 91.9
  Bottom Layer w7.8: R34.1@1551,2331.09 D14.1@1551,2423
NetD14_3: D14.3 R33.1 | length 91.9
  Bottom Layer w7.8: R33.1@1751,2331.09 D14.3@1751,2423
NetEARTHNET1_10: EARTHNET1.10 R22.2 | length 631.7
  Top Layer w7.8: EARTHNET1.10@194.84,2278.14 250.16,2222.83 250.16,1799.05 339.09,1710.12 R22.2@343.03,1710.12
NetEARTHNET1_11: EARTHNET1.11 R23.2 | length 283.1
  Top Layer w7.8: EARTHNET1.11@194.84,1958.14 237.36,1915.63 237.36,1752.36 R23.2@279.6,1710.12
NetL1_1: L1.1 R10.2 U18.2 | length 72.3
  Bottom Layer w25: U18.2@3391.91,2256.99 3391.91,2311.55 3401.06,2320.7 R10.2@3405.87,2320.7
  other v1: 3387.68,2256.3
NetL1_2: L1.2 U14.7 | length 175.6
  Top Layer w23: L1.2@3103.71,2268.11 L1.2@3136.19,2268.11 ; L1.2@3141.08,2261.08 3169,2233.17 v1(3169,2233)
  Bottom Layer w23: v1(3169,2233) 3200.13,2201.87 U14.7@3259.52,2201.87
NetL1_3: L1.3 U14.6 | length 164.3
  Top Layer w23: L1.3@3103.71,2169.69 L1.3@3115.83,2181.81 ; L1.3@3147.95,2166.05 v1(3215.01,2233.12)
  Bottom Layer w23: v1(3215.01,2233.12) 3233.76,2251.87 U14.6@3259.52,2251.87
NetL1_4: L1.4 R9.2 U18.3 | length 72.1
  Bottom Layer w25: U18.3@3391.91,2180.81 3391.91,2126.45 3401.06,2117.3 R9.2@3405.87,2117.3
  other v1: 3387.68,2181.5
NetL2_1: L2.1 R12.2 U19.2 | length 72.3
  Bottom Layer w25: U19.2@3391.91,1656.99 3391.91,1711.55 3401.06,1720.7 R12.2@3405.87,1720.7
  other v1: 3387.68,1656.3
NetL2_2: L2.2 U15.7 | length 175.6
  Top Layer w23: L2.2@3103.71,1668.11 L2.2@3136.19,1668.11 ; L2.2@3141.08,1661.08 3169,1633.17 v1(3169,1633)
  Bottom Layer w23: v1(3169,1633) 3200.13,1601.87 U15.7@3259.52,1601.87
NetL2_3: L2.3 U15.6 | length 164.3
  Top Layer w23: L2.3@3103.71,1569.69 L2.3@3115.83,1581.81 ; L2.3@3147.95,1566.05 v1(3215.01,1633.12)
  Bottom Layer w23: v1(3215.01,1633.12) 3233.76,1651.87 U15.6@3259.52,1651.87
NetL2_4: L2.4 R11.2 U19.3 | length 72.1
  Bottom Layer w25: U19.3@3391.91,1580.81 3391.91,1526.45 3401.06,1517.3 R11.2@3405.87,1517.3
  other v1: 3387.68,1581.5
NetL3_1: L3.1 R14.2 U20.2 | length 72.3
  Bottom Layer w25: U20.2@3391.91,1056.99 3391.91,1111.55 3401.06,1120.7 R14.2@3405.87,1120.7
  other v1: 3387.68,1056.3
NetL3_2: L3.2 U16.7 | length 175.6
  Top Layer w23: L3.2@3103.71,1068.11 L3.2@3136.19,1068.11 ; L3.2@3141.08,1061.08 3169,1033.17 v1(3169,1033)
  Bottom Layer w23: v1(3169,1033) 3200.13,1001.87 U16.7@3259.52,1001.87
NetL3_3: L3.3 U16.6 | length 164.3
  Top Layer w23: L3.3@3103.71,969.69 L3.3@3115.83,981.81 ; L3.3@3147.95,966.05 v1(3215.01,1033.12)
  Bottom Layer w23: v1(3215.01,1033.12) 3233.76,1051.87 U16.6@3259.52,1051.87
NetL3_4: L3.4 R13.2 U20.3 | length 72.1
  Bottom Layer w25: U20.3@3391.91,980.81 3391.91,926.45 3401.06,917.3 R13.2@3405.87,917.3
  other v1: 3387.68,981.5
NetL4_1: L4.1 R16.2 U21.2 | length 72.3
  Bottom Layer w25: U21.2@3391.91,456.99 3391.91,511.55 3401.06,520.7 R16.2@3405.87,520.7
  other v1: 3387.68,456.3
NetL4_2: L4.2 U17.7 | length 175.6
  Top Layer w23: L4.2@3103.71,468.11 L4.2@3136.19,468.11 ; L4.2@3141.08,461.08 3169,433.17 v1(3169,433)
  Bottom Layer w23: v1(3169,433) 3200.13,401.87 U17.7@3259.52,401.87
NetL4_3: L4.3 U17.6 | length 164.3
  Top Layer w23: L4.3@3103.71,369.69 L4.3@3115.83,381.81 ; L4.3@3147.95,366.05 v1(3215.01,433.12)
  Bottom Layer w23: v1(3215.01,433.12) 3233.76,451.87 U17.6@3259.52,451.87
NetL4_4: L4.4 R15.2 U21.3 | length 72.1
  Bottom Layer w25: U21.3@3391.91,380.81 3391.91,326.45 3401.06,317.3 R15.2@3405.87,317.3
  other v1: 3387.68,381.5
NetL5_1: L5.1 U24.11
NetL6_1: L6.1 U24.6
NetL7_1: L7.1 U24.20
NetR2_2: R2.2 U1.94 | length 91.7
  Top Layer w7.8: v1(1267,1664) 1267,1659.72 1272.43,1654.29 U1.94@1272.44,1615.16
  Bottom Layer w7.8: v1(1267,1664) 1268.18,1662.82 1268.18,1641.77 1278.06,1631.89 R2.2@1282,1631.89
NetR3_2: R3.2 U1.73 | length 240.5
  Top Layer w7.8: U1.73@1603.15,1615.16 1603.15,1670.15 1635,1702 1718.84,1702 1756.06,1739.22 R3.2@1760,1739.22
NetR42_1: R42.1 U26.4
NetR43_1: R43.1 R44.2 U26.3
NetU7_6: U7.6 U14.1 | length 268.8
  Top Layer w23: U7.6@2855.67,2031.18 2915.18,2031.18 v1(3013,2129)
  Bottom Layer w23: v1(3013,2129) 3035.87,2151.87 U14.1@3074.48,2151.87
NetU7_7: U7.7 U14.4 | length 366.5
  Top Layer w23: U7.7@2855.67,2081.18 2911.18,2081.18 2969,2139 2969,2235 v1(3013,2279)
  Bottom Layer w23: v1(3013,2279) 3035.87,2301.87 U14.4@3074.48,2301.87
NetU9_6: U9.6 U15.1 | length 268.8
  Top Layer w23: U9.6@2855.67,1431.18 2915.18,1431.18 v1(3013,1529)
  Bottom Layer w23: v1(3013,1529) 3035.87,1551.87 U15.1@3074.48,1551.87
NetU9_7: U9.7 U15.4 | length 366.5
  Top Layer w23: U9.7@2855.67,1481.18 2911.18,1481.18 2969,1539 2969,1635 v1(3013,1679)
  Bottom Layer w23: v1(3013,1679) 3035.87,1701.87 U15.4@3074.48,1701.87
NetU11_6: U11.6 U16.1 | length 268.8
  Top Layer w23: U11.6@2855.67,831.18 2915.18,831.18 v1(3013,929)
  Bottom Layer w23: v1(3013,929) 3035.87,951.87 U16.1@3074.48,951.87
NetU11_7: U11.7 U16.4 | length 366.5
  Top Layer w23: U11.7@2855.67,881.18 2911.18,881.18 2969,939 2969,1035 v1(3013,1079)
  Bottom Layer w23: v1(3013,1079) 3035.87,1101.87 U16.4@3074.48,1101.87
NetU13_6: U13.6 U17.1 | length 268.8
  Top Layer w23: U13.6@2855.67,231.18 2915.18,231.18 v1(3013,329)
  Bottom Layer w23: v1(3013,329) 3035.87,351.87 U17.1@3074.48,351.87
NetU13_7: U13.7 U17.4 | length 366.5
  Top Layer w23: U13.7@2855.67,281.18 2911.18,281.18 2969,339 2969,435 v1(3013,479)
  Bottom Layer w23: v1(3013,479) 3035.87,501.87 U17.4@3074.48,501.87
PF6: J1.3 J1.11 R21.1 U1.100 | length 1449.3
  Top Layer w7: v1(328.32,1477) 410,1558.68 410,1594 526,1710 693,1710 729,1674 915,1674 932,1657 932,1581 1000.4,1512.6 1145.96,1512.6 1148.94,1515.58 1188.61,1515.58 U1.100@1188.78,1515.75
  Top Layer w7.8: J1.11@253.33,1250.5 J1.11@252.83,1250 230,1250 211,1269 211,1349 230.11,1368.11 J1.3@252.83,1368.11 290.11,1368.11 v1(307,1385)
  Bottom Layer w7.8: v1(307,1385) 307.11,1385 308,1384.11 328.32,1404.43 R21.1@328.32,1423 v1(328.32,1477)
RESET: C1.2 R1.2 U1.99 | length 150.7
  Top Layer w7.8: C1.2@1098.02,1547 1098.02,1545.03 1116.51,1526.53 1142.36,1526.53 1147.31,1531.48 U1.99@1188.78,1531.5 ; C1.2@1099.98,1548.97 R1.2@1099.98,1597.18
SCK: U1.53 U2.13 U3.13 U4.13 U5.13 | length 3007
  Top Layer w7.8: U1.53@1781.31,1389.78 1822.98,1389.78 1891.6,1458.4 1891.6,1965.6 1952,2026 1952,2226.8 2006.38,2281.18 U2.13@2039.78,2281.18 ; U3.13@2039.78,1681.18 U3.13@2073.18,1681.18 ; U5.13@2073.18,481.18 2134.6,542.6 2134.6,1019.75 2073.18,1081.18 2122.6,1130.6 2122.6,1631.75 U3.13@2073.18,1681.18 ; U2.13@2073.18,2281.18 2120.6,2233.75 2120.6,1728.6 U3.13@2073.18,1681.18
SDC0_CLK: U1.105 U22.3 | length 497.6
  Top Layer w7.8: U22.3@795,1635.7 795,1606 968.96,1432.04 1142.36,1432.04 1147.31,1436.99 U1.105@1188.78,1437.01
SDC0_CMD: S2.2 U1.103 U22.5 | length 693.8
  Top Layer w7.8: S2.2@555,1351.98 558.68,1348.3 U22.5@745,1348.3 745,1356.17 844.83,1456 v1(910,1456) ; v1(963,1473.47) 1142.36,1473.47 1147.31,1468.52 U1.103@1188.78,1468.5
  Bottom Layer w7.8: v1(910,1456) 927.47,1473.47 v1(963,1473.47)
SDC0_D0: U1.106 U22.6 | length 428.6
  Top Layer w7.8: U22.6@795,1348.3 795,1356.17 855.54,1416.71 1145.13,1416.71 1149.66,1421.25 U1.106@1188.77,1421.25
SDC0_D1: U1.107 U22.7 | length 372.1
  Top Layer w7.8: U22.7@845,1348.3 845,1356.17 892.74,1403.91 1150.43,1403.91 1152.01,1405.5 U1.107@1188.78,1405.51
SDC0_D2: U1.101 U22.1 | length 372.1
  Top Layer w7.8: U22.1@895,1635.7 895,1598 993,1500 U1.101@1188.78,1500
SDC0_D3: U1.102 U22.2 | length 411.1
  Top Layer w7.8: U22.2@845,1635.7 845,1627.83 986.56,1486.27 1147.66,1486.27 1149.66,1484.27 U1.102@1188.78,1484.25
SDC1_D0: R30.2 U1.3 | length 1990.1
  Top Layer w7.8: v1(1226.33,930) 1226.33,930.62 1272.44,976.73 U1.3@1272.44,1022.64
  Bottom Layer w7.8: v1(1226.33,930) 1226.33,929.38 1193.45,896.49 1155.12,896.49 1041.01,1010.6 913.09,1010.6 804.6,1119.09 804.6,1632.91 983.09,1811.4 1316.25,1811.4 1478.13,1973.28 1482.07,1973.28 1491.94,1983.16 R30.2@1491.94,1987.09
SDC1_D1: R29.2 U1.2 | length 2124.4
  Top Layer w7.8: v1(1197.67,930) 1197.67,930.62 1256.69,989.65 U1.2@1256.69,1022.64
  Bottom Layer w7.8: v1(1197.67,930) 1197.67,929.38 1177.58,909.29 1160.42,909.29 1046.31,1023.4 918.4,1023.4 817.4,1124.4 817.4,1627.6 988.4,1798.6 1388.6,1798.6 1532,1942 1646.85,1942 1678.13,1973.28 1682.07,1973.28 1691.94,1983.16 R29.2@1691.94,1987.09
SDC1_D2: R28.2 U1.1 | length 1784.3
  Top Layer w7.8: v1(1169,930) 1169,930.62 1189.09,950.71 1195.59,950.71 1240.94,996.06 U1.1@1240.94,1022.64
  Bottom Layer w7.8: v1(1169,930) 1062.8,1036.2 923.7,1036.2 830.2,1129.7 830.2,1622.3 993.7,1785.8 1462.63,1785.8 1478.13,1801.29 1482.07,1801.29 1491.94,1811.17 R28.2@1491.94,1815.11
SDC1_D3: R27.2 U1.128 | length 1807.7
  Top Layer w7.8: v1(1137,1049) 1153.62,1065.62 1153.62,1066.2 1162.22,1074.8 U1.128@1188.78,1074.8
  Bottom Layer w7.8: v1(1137,1049) 929,1049 843,1135 843,1617 999,1773 1649.83,1773 1678.13,1801.29 1682.07,1801.29 1691.94,1811.17 R27.2@1691.94,1815.11
SVREF: C92.1 C93.2 R45.2 R47.1 U1.63 U1.71 | length 529.7
  Top Layer w7.8: U1.71@1634.66,1615.14 1634.66,1574.34 1661.76,1547.24 U1.63@1781.3,1547.24 1837.53,1547.24 1849.71,1559.42 1849.71,1588.29 v1(1845,1593)
  Bottom Layer w20: C92.1@1841.56,1690 1844.31,1687.25 1844.31,1593.69 v1(1845,1593) 1845.98,1593 1858.98,1580 C93.2@1911.44,1580 1910.46,1579.02 1910.46,1529.98 R47.1@1909.47,1529
TWI0_SCK: U1.45
TWI0_SDA: U1.46
TWI1_SCK: P5.4 U1.48 | length 512.4
  Top Layer w6: U1.48@1781.3,1311.02 1748.01,1311.01 1728,1291 1728,1084.65 1757.65,1055 1770.56,1055 1871,954.56 P5.4@1871,907
TWI1_SDA: P5.3 U1.49 | length 640.1
  Top Layer w6: U1.49@1781.3,1326.77 1745.66,1326.76 1715.2,1296.3 1715.2,1198 1715.2,1081.89 1753.09,1044 1766,1044 1826,984 1826,852 P5.3@1871,807
UART2_RX: U1.40
UART2_TX: U1.39
VBUS: F1.1 J1.2 J1.7 J1.10 J1.15 R21.2 U23.5 | length 816.4
  Top Layer w9.8: J1.10@252.83,1217.52 323.52,1217.52 341,1235 v1@362,1235 ; J1.7@252.83,1231.3 317.28,1231.28 333,1247 362,1247 v1(368,1241) ; J1.2@252.83,1406.5 294.86,1406.5 295.07,1406.71 325.29,1406.71 341,1391 v1@362,1391 ; J1.15@252.83,1420.28 330.72,1420.28 348,1403 v1@362,1403
  Top Layer w23: v1(368,1241) F1.1@455,1241
  Bottom Layer w23: v1@367.69,1241 367.69,1282.69 402.7,1317.7 425.95,1317.7 U23.5@427.24,1319 ; R21.2@367.69,1423 367.69,1355.31 402.7,1320.3 U23.5@425.95,1320.3
  other v1: 368,1397
VHP_BP: C78.2 C80.2 U1.123 | length 170.1
  Top Layer w7.8: C78.2@1080.25,1078 C80.2@1080.25,1127.75 1080.25,1129.72 1092.1,1141.57 1135.34,1141.57 1147.31,1153.53 U1.123@1188.78,1153.54
VRA1: C94.2 U1.117 | length 121.7
  Top Layer w7.8: C94.2@1080.25,1277 1080.25,1275.03 1092.1,1263.18 1094.07,1263.18 1109.22,1248.03 U1.117@1188.78,1248.03
VRA2: C91.2 R46.2 U1.118 | length 159.2
  Top Layer w7.8: C91.2@1080.25,1177.5 1082.22,1179.47 R46.2@1082.22,1227.25 1087.25,1232.28 U1.118@1188.78,1232.28
VRTC: C71.2 R41.2 U1.98 | length 131.3
  Top Layer w7.8: v1@1135.56,1547.24 U1.98@1188.78,1547.24
  Bottom Layer w20: R41.2@1100.53,1540 1100.53,1542.77 1104.31,1546.55 1133.09,1546.55 v1(1133.78,1547.24) C71.2@1174.02,1547.24
VRTC_IO: C84.2 U1.97 | length 102.6
  Top Layer w7.8: v1(1143,1576) 1146.03,1572.97 1152.2,1572.97 1162.18,1562.99 U1.97@1188.78,1562.99
  Bottom Layer w20: C84.2@1098.56,1590 1098.56,1588.03 1104.31,1582.28 1106.28,1582.28 1111.87,1576.69 1142.31,1576.69 v1(1143,1576)
X24MIN: C3.1 U1.75 Y1.1 | length 190.7
  Top Layer w7.8: C3.1@1505,1741.19 1554.45,1741.19 Y1.1@1558.32,1737.32 1560.29,1737.32 1574.11,1723.5 1574.11,1721.53 1580,1715.64 1580,1687.33 1571.67,1679 U1.75@1571.65,1615.16
X24MOUT: C2.2 U1.74 Y1.3 | length 264.8
  Top Layer w7.8: U1.74@1587.4,1615.16 1587.42,1676.42 1594.51,1683.51 1594.51,1751.85 1642.84,1800.18 1646.72,1796.31 C2.2@1698,1796.31
X32KIN: C5.1 R4.1 U1.96 Y2.2 | length 304.5
  Top Layer w7.8: C5.1@1049.57,1645.77 Y2.2@1049.57,1705.77 1057.48,1697.86 1128.1,1697.86 R4.1@1132,1693.96 1188.72,1693.96 1240.94,1641.73 U1.96@1240.94,1615.16
X32KOUT: C4.1 R4.2 U1.95 Y2.1 | length 346.2
  Top Layer w7.8: C4.1@1049.57,1801.2 Y2.1@1049.57,1741.2 1057.48,1749.12 1128.1,1749.12 R4.2@1132,1753.02 1147.98,1753.02 1256.69,1644.31 U1.95@1256.69,1615.16
pads on no net: EARTHNET1.7 J1.0 J1.6 J1.14 S1.3 U2.3 U2.4 U2.5 U2.6 U2.10 U2.11 U3.3 U3.4 U3.5 U3.6 U3.10 U3.11 U4.3 U4.4 U4.5 U4.6 U4.10 U4.11 U5.3 U5.4 U5.5 U5.6 U5.10 U5.11 U14.5 U15.5 U16.5 U17.5 U23.4 U23.6 Y2.0

## Polygon pours and split planes (outlines as drawn)
NetL5_1 on Top Layer "Top Layer-NetL5_1" (solid, pour order 20): 1428,449 1428,458 1362,581 1321,581 1311,581 1311,480 1361,480 1398,449
NetL7_1 on Top Layer "Top Layer-NetL7_1" (solid, pour order 18): 1498,379 1507,379 1582,290 1582,189 1533,189 1498,349
NetL6_1 on Top Layer "Top Layer-NetL6_1" (solid, pour order 14): 1498,465 1507,465 1582,534 1582,635 1533,635 1498,496
NetR43_1 on Top Layer "Top Layer-NetR3_1" (solid, remove dead copper, pour order 12): 727.87,807.44 727.87,770.32 676.87,770.32 676.87,657.44 646.87,657.44 646.87,807.44
24V on Top Layer "Top Layer-24V" (solid, remove dead copper, pour order 10): 711.87,599.44 711.87,480.44 551.87,480.44 523,480.44 341,681 427,735 523,527.44 685.87,527.44 685.87,599.44
NetR42_1 on Top Layer "Top Layer-ADC1" (solid, remove dead copper, pour order 8): 674.87,599.44 556.87,599.44 523.87,599.44 523.87,558.44 674.87,558.44
NetC82_2 on Top Layer "Top Layer-NetC8_2" (solid, remove dead copper, pour order 6): 722.87,694.44 722.87,654.7 820,654.7 820,694.44
GND on Top Layer "Top Layer-GND" (solid, remove dead copper, pour order 4): 586.87,807.44 586.87,647.36 625.79,608.44 685.74,608.44 711.87,634.57 711.87,694.57 724.74,707.44 842.26,707.44 931,618.7 931,522 827.44,418.44 759.87,418.44 711.87,466.44 656,466.44 386,355 386,254 1071.87,254 1071.87,600.83 920.26,752.44 721.74,752.44 685.87,716.57 685.87,657.7 676.61,648.44 643.26,648.44 615.87,675.83 615.87,807.44
NetC82_1 on Top Layer "Top Layer-NetC8_1" (solid, remove dead copper, pour order 2): 723,599.7 723,564.7 751,442.7 815.7,442.7 911.21,538.21 911.21,625 820,632.74 775.87,632.74
5V on Top Layer "Top Layer-5V" (solid, remove dead copper, pour order 0): 758.87,770.32 758.87,807.44 986.26,807.44 1163.15,630.55 1163.15,277 1086.87,277 1086.87,614.83 931.39,770.32
EARTH on Bottom Layer "Bottom Layer-EARTH" (solid, pour order 38): 28,764 777.07,8 3881,8 3928,55 3928,2272 3897,2303 3745,2303 3711,2269 3711,274 3583,146 842,146 266,722 263.38,1161.62 249,1176 249,1463 567,1781 567,2324 592,2349 1092,2279 1092,2490 490,2467 463,2440 463,1867 142,1546 77,1546 28,1497
AGND_4 on Bottom Layer "Bottom Layer-AGND_4" (solid, pour order 36): 3678,498 3678,339 3633,339 3502,381 3502,457 3633,498
AGND_3 on Bottom Layer "Bottom Layer-AGND_3" (solid, pour order 34): 3678,1098 3678,939 3633,939 3502,981 3502,1057 3633,1098
AGND_2 on Bottom Layer "Bottom Layer-AGND_2" (solid, pour order 32): 3678,1698 3678,1539 3633,1539 3502,1581 3502,1657 3633,1698
AGND_1 on Bottom Layer "Bottom Layer-AGND_1" (solid, pour order 30): 3678,2298 3678,2139 3633,2139 3502,2181 3502,2257 3633,2298

## Other copper
Bottom Layer:
  rectangle net GND: 1435,386 1507,458
  rectangle net GND: 1263,1103 1709,1543

## Silkscreen, mask and mechanical layers (free items; w line width, h text height)
Top Overlay:
  circle w10: c150,968 r125.98
  circle w10: c1092,2384 r125.98
  lines w7.87: 0,86.6 3937.01,86.61 ; 0,2551.2 3937.01,2551.18
  text "CAN1" at 1790.74,2400.38 h78.74
  text "CAN1_H" at 3357.79,2324 h45.28
  text "CAN2" at 1790.74,2228.38 h78.74
  text "GND1" at 3400.28,2205.88 h45.28
  text "POWER" at 1217,2105 h78.74
  text "CAN1_L" at 3364.64,2090 h45.28
  text "CAN3" at 1790.74,2056.38 h78.74
  text "SYS" at 1335.34,2038 h78.74
  text "CAN4" at 1790.74,1884.38 h78.74
  text "CAN2_H" at 3357.79,1724 h45.28
  text "GND2" at 3395.8,1605.88 h45.28
  text "RESET" at 198,1564 h98.43
  text "CAN2_L" at 3364.64,1490 h45.28
  text "FEL" at 350,1462 h98.43
  text "3V0" at 757,1165 h60
  text "CAN3_H" at 3357.79,1124 h45.28
  text "JLCJLCJLCJLC" at 1394,1105 h59.06
  text "VCC" at 304.59,1010 h98.43
  text "GND3" at 3395.84,1005.88 h45.28
  text "GND" at 744,933 h60
  text "EARTH" at 304.59,918.75 h98.43
  text "CAN3_L" at 3364.64,890 h45.28
  text "TX" at 1732.74,884.49 h78.74
  text "1V8" at 1581,864 h60
  text "GND" at 304.69,829.37 h98.43
  text "RX" at 1732.59,784.37 h78.74
  text "GND" at 1506,770 h60
  text "1V2" at 1201,762 h60
  text "GND" at 1369,741 h60
  text "GND" at 1672,684.99 h78.74
  text "5V" at 1736.41,584.87 h78.74
  text "CAN4_H" at 3357.79,524 h45.28
  text "GND4" at 3394.12,405.88 h45.28
  text "5V" at 1155,373 h60
  text "CAN4_L" at 3364.64,290 h45.28
  text "3V3" at 1852,255 h60
  text "GND" at 1221,178 h60
  text "GND" at 1853,102 h60
Bottom Overlay:
  text "CAN1_H" at 3915,2399.88 h98.43
  text "GND1" at 3900.1,2068 h98.43
  text "CAN1_L" at 3900.1,1999.88 h98.43
  text "CAN2_H" at 3915,1799.88 h98.43
  text "GND2" at 3900.1,1468 h98.43
  text "CAN2_L" at 3900.1,1399.88 h98.43
  text "CAN3_H" at 3915,1199.88 h98.43
  text "GND3" at 3900.1,868 h98.43
  text "CAN3_L" at 3900.1,799.88 h98.43
  text "CAN4_H" at 3915,599.88 h98.43
  text "CAN Gateway V3S" at 1583,561 h157.48
  text "2020/07/19 ZJK V0.1" at 1421.05,444 h118.11
  text "GND4" at 3900.1,268 h98.43
  text "CAN4_L" at 3900.1,199.88 h98.43
Mechanical 1:
  the board outline again, w7.87